# Altium PCB AMC_Box_Mainboard.PcbDoc (part 3 of 8)
Units mil, origin at the board's own origin, x right, y up, seen from the top; angles counter-clockwise.
Board outline 2795.28 x 7874.02 mil, 4 copper layers (TOP, GND, PWR, BTM), stack 63.701 mil thick; 505 components, 378 nets, 1991 pads, 997 vias.
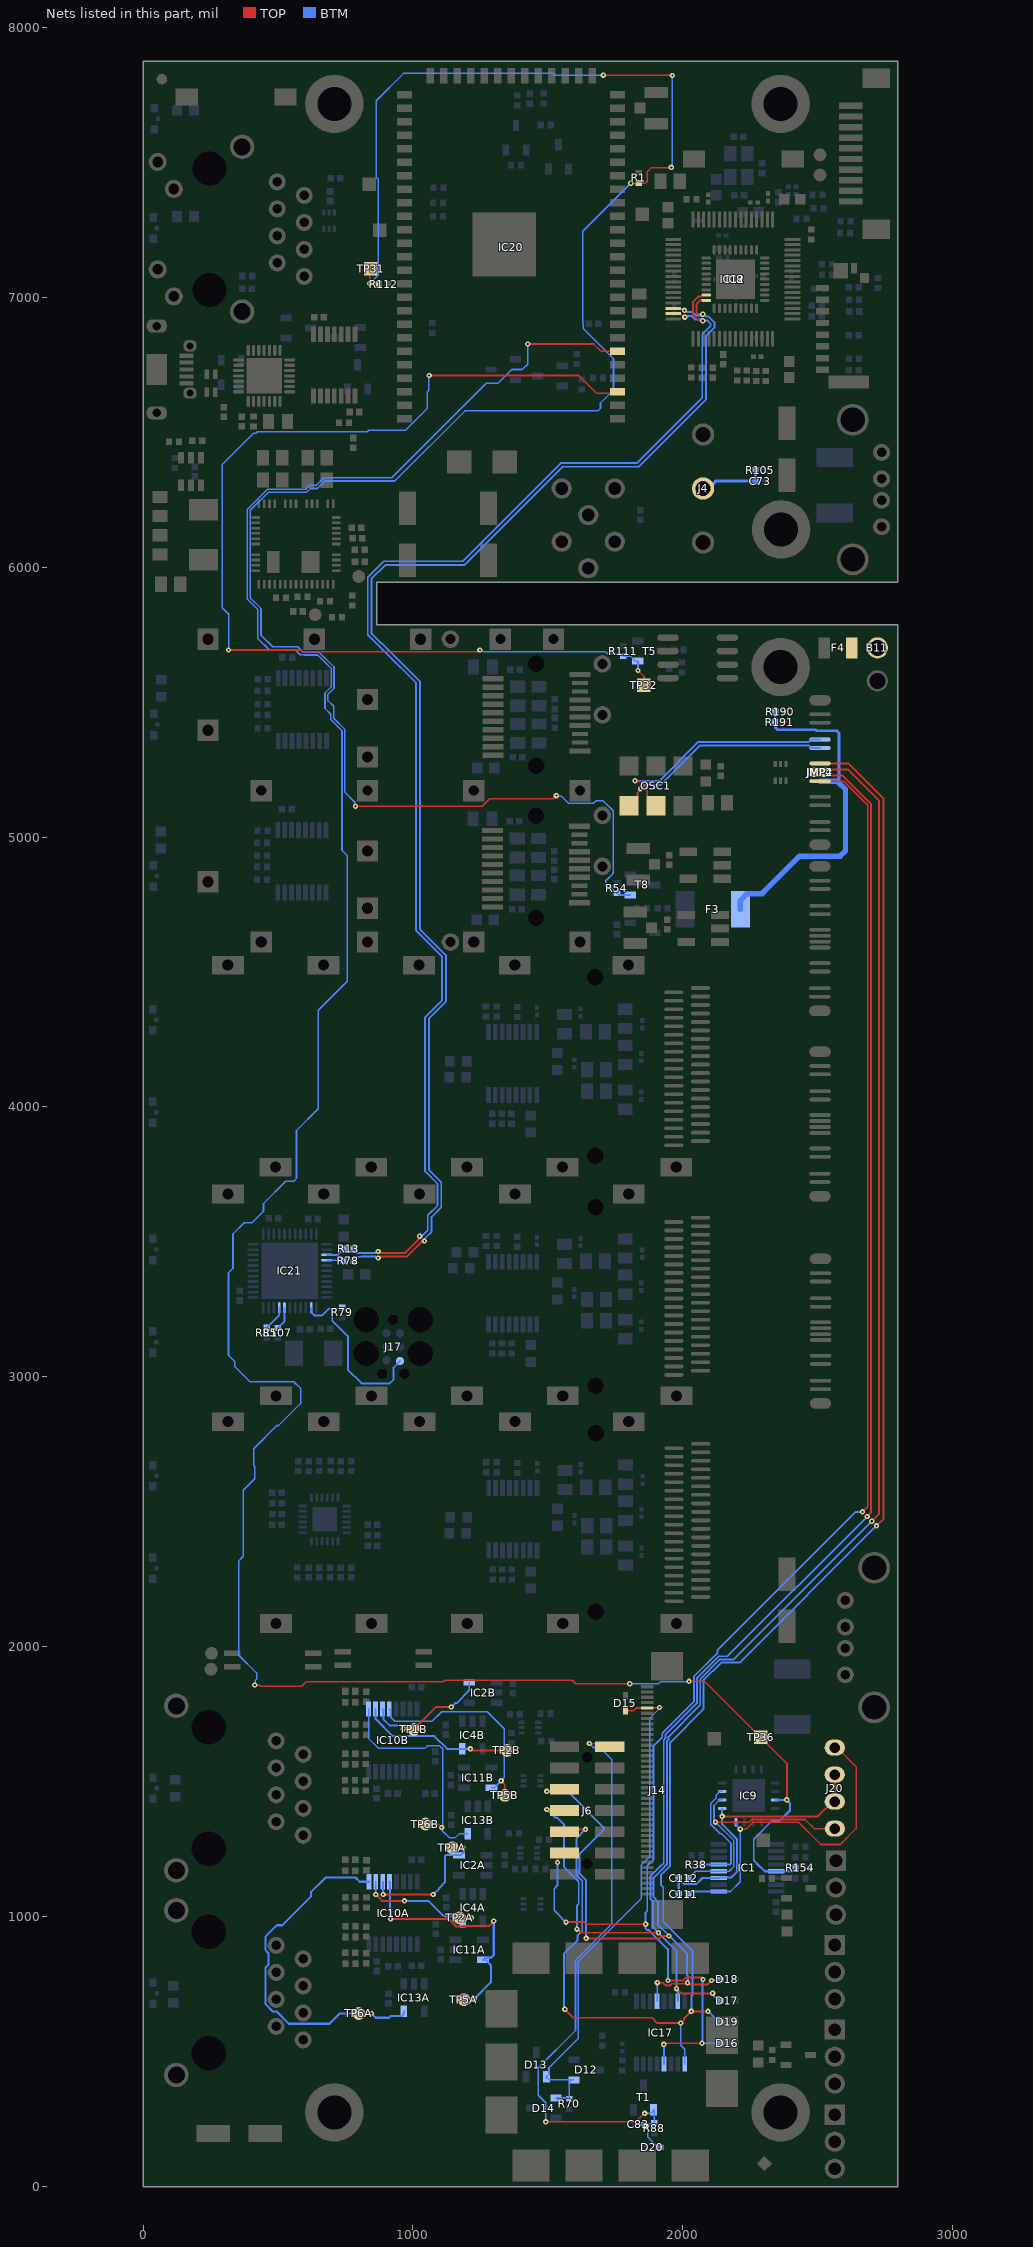
[diagram p5: the nets of this part, all layers, seen from the top]

## Via types
v1: diameter 19.68, hole 7.87, TOP to BTM, tented both sides, 751 vias
v2: diameter 20.08, hole 11.81, TOP to BTM, tented both sides, 162 vias
v3: diameter 19.68, hole 7.87, TOP to BTM, 43 vias
v4: diameter 31.5, hole 15.75, TOP to BTM, tented both sides, 36 vias
v5: diameter 25.98, hole 12.99, TOP to BTM, tented both sides, 4 vias
v6: diameter 50, hole 28, TOP to BTM, tented both sides, 1 vias

## Nets (pads, with @x,y where several pads share a name; then routed paths per layer and width w, separated by ;. In a path a pad name is that pad's centre, name@x,y a point inside that pad or via, vN(x,y) a via of type N, cw(c..) or ccw(c..) an arc to the next point about the centre after c; other vN are vias at no path point) (continued)
ADDR: IC1.13 IC9.11 R38.1 | length 434.9
  BTM w6: R38.1@2068.43,1193.13 2069.12,1193.81 IC1.13@2132.6,1193.81 2174.89,1193.81 2178.4,1197.33 2178.4,1272.33 2142.89,1307.84 2139.01,1307.84 2103.5,1343.36 2103.5,1420.02 2123.55,1440.07 2123.55,1451.3 2136.81,1464.57 IC9.11@2145.67,1464.57
AMC_MP: F3.2 JMP4.9 R190.2 R191.2 | length 1321.7
  BTM w10: R190.2@2342.52,5464.57 2342.52,5405.51 2350.39,5397.64 2492.13,5397.64 2496.06,5393.7 2570.87,5393.7 2578.74,5385.83 2578.74,5200.79
  BTM w20: F3.2@2213.19,4732.28 2213.19,4765.16 2238.23,4790.2 2293.74,4790.2 2432.68,4929.13 2582.68,4929.13 2602.36,4948.82 2602.36,5177.17 2578.74,5200.79 2572.83,5206.69 JMP4.9@2507.87,5206.69
AMC_PWR: B11.1 F4.2
AMC_TCK: D19.1 IC17.9 J6.6 JMP2.9 | length 6802.7
  TOP w7: J6.6@1562.01,1314.96 1571.05,1324 v1(1639,1324) ; v1(1562.99,657.48) 1594.49,625.98 1885.83,625.98 1905.51,606.3 v1(1992.13,606.3) 2003.94,618.11 2003.94,622.05 v1(2031.5,649.61) v1(2092.87,649.61) ; JMP2.9@2508.74,5272.83 2612.99,5272.83 2743.5,5142.33 2743.5,2474.59 v1(2717.13,2448.22)
  BTM w7: v1(1562.99,657.48) 1559.06,661.42 1559.06,862.2 1610.24,913.39 1610.24,931.14 1627.23,948.14 1627.23,1133.44 1606.04,1154.64 1606.04,1291.04 v1(1639,1324) ; v1(1992.13,606.3) 1992.13,523.5 2006.89,508.73 IC17.9@2006.89,454.72 ; v1(2031.5,649.61) 2031.5,707.05 2035.29,710.85 2035.29,874.16 1927.52,981.93 1927.52,1109.85 1918.94,1118.42 1918.94,1155.61 1926.54,1163.21 1926.65,1163.21 1952.58,1189.15 1952.58,1645.01 2076.28,1768.7 2076.28,1875.6 2142.36,1941.69 2210.6,1941.69 v1(2717.13,2448.22) ; v1(2092.87,649.61) 2093.5,649.61 2132.87,610.24 D19.1@2137.8,610.24
AMC_TDI: D18.1 IC17.4 J6.10 JMP2.8 | length 6507.7
  TOP w7: v1(1496.06,1464.57) 1554.13,1464.57 J6.10@1562.01,1472.44 ; v1(1641.62,920.08) 1914.13,920.08 1923.19,929.13 v1(1948.82,929.13) ; v1(1905.51,755.91) 1905.81,755.61 1925.85,755.61 1935.75,745.71 1952.94,745.71 1959.28,752.06 2004.86,752.06 2005.82,753.02 2014.79,753.02 v1(2017.22,755.45) ; v1@2017.22,757.52 2018.58,757.52 2026.45,749.65 2091.66,749.65 2105.79,763.78 v1(2106.3,763.78) ; JMP2.8@2508.74,5250.79 2611.42,5250.79 2726.8,5135.41 2726.8,2492.4 v1(2699.87,2465.48)
  BTM w7: v1(1496.06,1464.57) 1535.9,1464.57 1543.77,1472.44 1566.01,1472.44 1707.74,1330.71 1707.74,1323.29 1617.76,1233.31 1617.76,1159.5 1641.62,1135.64 v1(1641.62,920.08) ; IC17.4@1904.53,687.01 1905.02,687.5 1905.02,755.41 v1(1905.51,755.91) ; v1(2017.22,755.45) 2019.65,757.88 2019.65,773.92 2019.69,773.96 2019.69,779.53 2015.75,783.46 2015.75,862.2 v1(1948.82,929.13) 1907.22,970.74 1907.22,1056.58 1891.38,1072.42 1891.38,1144.63 1921.68,1174.93 1921.79,1174.93 1940.86,1194 1940.86,1649.86 1947.03,1656.03 1947.03,1667.5 2064.55,1785.02 2064.55,1880.45 2137.51,1953.41 2187.8,1953.41 v1(2699.87,2465.48) ; v1(2106.3,763.78) 2108.27,765.75 2135.83,765.75 D18.1@2137.8,767.72
AMC_TDO: D17.1 IC17.7 J6.8 JMP2.7 | length 6117.9
  TOP w7: v1(1496.06,1397.64) 1558.07,1397.64 J6.8@1562.01,1393.7 ; v1(1607.92,954.37) 1611.35,954.37 1622.46,943.26 1627.6,943.26 1629.92,940.95 v1(1909.45,940.95) ; v1(1976.38,733.99) 1994.44,715.92 2109.62,715.92 v1(2110.24,716.54) ; JMP2.7@2508.74,5228.74 2590.99,5228.74 2696.76,5122.97 2696.76,2497.36 2682.61,2483.21 v1(2682.61,2482.74)
  BTM w7: v1(1496.06,1397.64) 1525.44,1368.25 1533.31,1368.25 1560.27,1341.3 1560.27,1183.83 1614.17,1129.92 1614.17,1048.15 1607.92,1041.9 v1(1607.92,954.37) ; v1@1976.38,732.79 1976.38,874.02 v1(1909.45,940.95) 1889.76,960.63 1889.76,1056.82 1879.66,1066.93 1879.66,1149.49 1916.83,1186.66 1916.93,1186.66 1929.13,1198.86 1929.13,1654.72 1935.3,1660.89 1935.3,1674.63 2052.83,1792.15 2052.83,1885.31 2132.65,1965.13 2165.01,1965.13 v1(2682.61,2482.74) ; IC17.7@1981.3,687.01 v1@1981.3,727.87 ; v1(2110.24,716.54) 2110.24,711.61 2132.87,688.98 D17.1@2137.8,688.98
AMC_TMS: D16.1 IC17.12 J6.4 JMP2.6 | length 6220.8
  TOP w7: v1(1535.43,1200.79) 1535.43,1220.04 1551.62,1236.22 J6.4@1562.01,1236.22 ; v1(1566.93,980.32) 1633.86,980.32 1641.73,972.44 v1(1862.2,972.44) ; v1(1929.13,527.56) 1933.07,531.5 v1(2070.87,531.5) ; v1@1944.88,759.84 v1(1944.88,763.78) 2000,763.78 2011.81,775.59 2070.7,775.59 2070.7,775.25 2074.8,771.15 v1(2074.8,767.72) ; JMP2.6@2508.74,5206.69 2596.46,5206.69 2685.04,5118.11 2685.04,2519.69 v1(2665.35,2500)
  BTM w7: v1(1535.43,1200.79) 1535.43,1116.39 1523.62,1104.58 1523.62,1023.62 v1(1566.93,980.32) ; v1(1929.13,527.56) 1929.63,527.07 1929.63,455.22 IC17.12@1930.12,454.72 ; v1(1944.88,763.78) 1944.88,879.96 1874.02,950.83 1868.07,950.83 1862.2,956.69 v1(1862.2,972.44) 1862.2,1015.75 1867.93,1021.48 1867.93,1188.76 1891.38,1212.21 1891.38,1633.55 1923.58,1665.74 1923.58,1679.48 2041.1,1797.01 2041.1,1890.17 2127.79,1976.86 2127.79,1987.99 2639.8,2500 v1(2665.35,2500) ; v1(2074.8,767.72) 2072.83,765.75 2072.83,533.46 v1(2070.87,531.5) D16.1@2137.8,531.5
AMC_TRSTn: D12.1 D13.1 D14.1 D15.1 J14.36 R70.1 | length 1905.8
  TOP w6: D15.1@1787.4,1763.78 1817.4,1763.78 1827.24,1773.62 J14.36@1868.11,1773.62 1869.09,1774.61 1912.4,1774.61 v1(1913.39,1775.59)
  BTM w6: D14.1@1529.53,328.74 1575.59,328.74 R70.1@1578.74,325.59 1578.74,385.83 D12.1@1588.58,395.67 ; D12.1@1596.46,395.67 D12.1@1588.58,395.67 ; v1(1913.39,1775.59) 1913.39,1771.65 1877.95,1736.22 1877.95,1224.41 1846.46,1192.91 1846.46,1068.33 1613.09,834.96 1613.09,550.09 1503.89,440.9 1503.89,417.28 D13.1@1494.09,407.48 1494.09,405.46 1503.89,395.67 D12.1@1588.58,395.67
AVR_RESETn: IC21.13 J17.5 R79.1 | length 673.2
  BTM w7: IC21.13@622.74,3256.19 622.74,3240.44 635.89,3227.3 663.03,3227.3 688.24,3252.5 701,3252.5 ; R79.1@738,3257.5 733,3252.5 701,3252.5 ; J17.5@952,3058.85 928,3034.85 928,2990 914,2976 810,2976 759,3027 759,3151 701,3209 701,3252.5
AVR_SCL: IC21.18 R107.1 | length 85.6
  BTM w7: R107.1@499,3181.5 499.79,3181.5 524.31,3206.03 IC21.18@524.31,3256.19
AVR_SDA: IC21.19 R85.1 | length 94
  BTM w7: R85.1@458,3182.01 458.79,3182.01 504.63,3227.85 IC21.19@504.63,3256.19
CLK0_N: JMP4.4 OSC1.5 | length 884
  TOP w7: v1(1822.83,5208.66) 1825.26,5206.23 1842.23,5206.23 1868.07,5180.4 1868.07,5148.07 OSC1.5@1900,5116.14
  BTM w7: v1(1822.83,5208.66) 1824.37,5207.13 1911.74,5207.13 2057.48,5352.87 2467.9,5352.87 2476.45,5361.42 JMP4.4@2507.87,5361.42
CLK0_P: JMP4.5 OSC1.4 | length 815.4
  TOP w7: OSC1.4@1800,5116.14 1831.93,5148.07 1831.93,5164.64 1843.39,5176.1 v1(1843.39,5179.53)
  BTM w7: v1(1843.39,5179.53) 1844.96,5179.53 1858.56,5193.13 1917.54,5193.13 2063.28,5338.87 2467.9,5338.87 2476.45,5330.32 JMP4.5@2507.87,5330.32
D_N: IC8.8 IC12.15 R13.1 | length 5033
  TOP w7: v1(871,3464.7) 874.43,3464.7 879.64,3459.5 970.86,3459.5 1022.57,3511.21 1022.57,3518.57 v1(1025,3521) ; IC12.15@1964.04,6938.98 1966.04,6936.98 1993.12,6936.98 2004.13,6925.97 v1(2007.56,6925.97) ; v1(2073.82,6912.6) 2071.39,6915.03 2057.47,6915.03 2037.18,6935.31 2037.18,6981.12 2059.11,7003.05 2068.49,7003.05 2073.32,7007.87 IC8.8@2086.61,7007.87
  BTM w7: R13.1@780.5,3474 788.42,3466.08 788.42,3463.39 792.52,3459.29 802.42,3459.29 802.63,3459.5 862.36,3459.5 867.57,3464.7 v1(871,3464.7) ; v1(1025,3521) 1027.43,3523.43 1034.79,3523.43 1054.95,3543.59 1054.95,3598.26 1091.02,3634.33 1091.02,3715.46 1045.06,3761.42 1045.06,4332.46 1108.21,4395.61 1108.21,4557.03 1011.81,4653.43 1011.81,5570.75 899.55,5683.01 832.46,5750.11 832.46,5962.49 891.62,6021.65 1185,6021.65 1549.17,6385.83 1830.71,6385.83 2071.97,6627.09 2071.97,6863.31 2103.4,6894.74 2103.4,6900.54 2089.96,6913.97 2075.19,6913.97 v1(2073.82,6912.6) 2070.39,6912.6 2065.18,6917.8 2044.46,6917.8 2031.38,6930.88 2015.75,6930.88 2010.84,6925.97 v1(2007.56,6925.97)
D_NR: IC21.3 R13.2 | length 72.2
  BTM w7: IC21.3@680.81,3452.06 722.34,3452.06 743.5,3473.21 R13.2@743.5,3474
D_P: IC8.9 IC12.14 R78.1 | length 5029.1
  TOP w7: v1(871,3440.3) 874.43,3440.3 879.64,3445.5 976.66,3445.5 1032.47,3501.31 1039.83,3501.31 v1(1042.26,3503.74) ; IC12.14@1964.04,6958.66 1966.04,6956.66 1997.04,6956.66 2002.56,6951.14 v1(2005.99,6951.14) ; v1(2073.82,6937.01) 2072.01,6938.81 2053.48,6938.81 2051.18,6941.11 2051.18,6975.32 2064.91,6989.05 2070.71,6989.05 2070.79,6988.96 2085.84,6988.96 IC8.9@2086.61,6988.19
  BTM w7: R78.1@779.5,3431 787.42,3438.92 787.42,3441.19 791.52,3445.29 808.22,3445.29 808.43,3445.5 862.36,3445.5 867.57,3440.3 v1(871,3440.3) ; v1(1042.26,3503.74) 1044.69,3506.17 1044.69,3513.53 1068.95,3537.8 1068.95,3592.46 1105.02,3628.53 1105.02,3721.25 1100.92,3725.35 1059.06,3767.22 1059.06,4326.66 1122.21,4389.81 1122.21,4562.83 1025.81,4659.23 1025.81,5576.55 919.35,5683.01 846.46,5755.91 846.46,5956.69 897.42,6007.65 1190.8,6007.65 1554.97,6371.83 1836.51,6371.83 2085.97,6621.29 2085.97,6857.51 2117.4,6888.94 2117.4,6906.34 2113.3,6910.44 2095.76,6927.97 2086.29,6927.97 2077.25,6937.01 v1(2073.82,6937.01) 2070.39,6937.01 2065.18,6931.8 2050.26,6931.8 2037.18,6944.88 2015.69,6944.88 2009.42,6951.14 v1(2005.99,6951.14)
D_PR: IC21.4 R78.2 | length 62.3
  BTM w7: IC21.4@680.81,3432.37 741.13,3432.37 R78.2@742.5,3431
DR1A: IC10A.9 IC13A.5 TP6A.1 | length 1377.1
  TOP w7.87: TP6A.1@799.21,641.73 v1(846.46,641.73)
  BTM w7.87: IC10A.9@836.81,1129.92 803.15,1129.92 787.4,1145.67 677.17,1145.67 622.05,1090.55 622.05,1074.8 515.75,968.5 496.06,968.5 453.15,925.59 453.15,877.26 464.42,865.99 464.42,821.8 453.15,810.53 453.15,677.26 481.14,649.28 494.88,649.28 540.41,603.74 690.97,603.74 728.96,641.73 v1(846.46,641.73) 862.2,625.98 912,625.98 917.9,631.89 958.66,631.89 966.54,639.76 IC13A.5@966.54,649.61
DR1B: IC10B.9 IC13B.5 TP6B.1 | length 886.2
  TOP w6: TP6B.1@1046.26,1343.5 1093.5,1343.5 v1(1106.3,1330.71)
  BTM w6: IC10B.9@835.63,1769.69 835.63,1660.43 871.13,1624.93 1046.19,1624.93 1055.12,1633.86 1098.43,1633.86 1110.24,1622.05 1110.24,1326.77 1108.92,1325.45 1108.92,1319 1134.46,1293.46 1157.39,1293.46 1171.02,1307.09 IC13B.5@1202.76,1307.09
DR2A: IC10A.12 IC11A.5 TP5A.1 | length 941.6
  TOP w7.87: v1(917.32,992.13) 1131.51,992.13 1159.86,963.78 1186.6,963.78 1188.18,965.36 1280.32,965.36 v1(1299.21,984.25) ; TP5A.1@1188.98,692.91 1190.94,694.88 1226.38,694.88 v1(1228.35,696.85)
  BTM w7.87: IC10A.12@913.58,1129.92 915.45,1128.05 915.45,994 v1(917.32,992.13) ; v1(1228.35,696.85) 1288.69,757.2 1288.69,821.54 1269.69,840.55 IC11A.5@1259.84,840.55 1267.72,848.43 1289.37,848.43 1299.21,858.27 v1(1299.21,984.25)
DR2B: IC10B.12 IC11B.5 TP5B.1 | length 803.8
  TOP w6: v1(1326.77,1503.94) 1340.55,1490.16 TP5B.1@1340.55,1449.8
  BTM w6: IC10B.12@912.4,1769.69 918.26,1763.83 918.26,1739.22 933.07,1724.41 1070.87,1724.41 1106.3,1759.84 1275.59,1759.84 1338.58,1696.85 1338.58,1515.75 1301.18,1478.35 IC11B.5@1291.34,1478.35
DR3A: IC4A.5 IC10A.10 TP2A.1 | length 495.8
  TOP w7: v1(862.2,1082.68) 885.83,1059.06 v1(968.5,1059.06) ; TP2A.1@1173.23,996.06 v1(1216.54,996.06)
  BTM w7: v1(862.2,1082.68) 862.3,1082.78 862.3,1129.82 IC10A.10@862.4,1129.92 ; v1(968.5,1059.06) 1057.13,1059.06 1112.27,1003.92 1118.13,1003.92 1121.61,1000.44 1175.94,1000.44 1184.25,992.13 IC4A.5@1184.25,987.75 ; IC4A.5@1184.25,982.28 IC4A.5@1184.25,987.75 ; v1(1216.54,996.06) 1192.56,996.06 1186.44,989.94 IC4A.5@1184.25,987.75
DR3B: IC4B.5 IC10B.10 TP2B.1 | length 572.1
  TOP w7.87: v1(1212.6,1622.05) 1218.5,1616.14 TP2B.1@1348.43,1616.14
  BTM w7.87: IC10B.10@861.22,1769.69 861.22,1733.27 925.2,1669.29 1079.48,1669.29 1126.73,1622.05 IC4B.5@1183.07,1622.05 v1(1212.6,1622.05)
DR4A: IC2A.5 IC10A.11 TP1A.1 | length 523.2
  TOP w7: v1(889.76,1082.68) v1(1074.8,1082.68) ; TP1A.1@1145.67,1255.91 v1(1185.04,1255.91)
  BTM w7: IC10A.11@887.99,1129.92 889.76,1128.15 v1(889.76,1082.68) ; v1(1074.8,1082.68) 1098.53,1106.4 1098.53,1108.33 1118.11,1127.91 1118.11,1224.25 1122.21,1228.35 IC2A.5@1170.47,1228.35 1176.73,1228.35 1185.04,1236.66 v1(1185.04,1255.91)
DR4B: IC2B.5 IC10B.11 TP1B.1 | length 462.9
  TOP w7: v1(964.57,1696.85) 966.04,1695.37 1002.26,1695.37 TP1B.1@1003.74,1693.9 1087.25,1777.41 v1(1141.73,1777.41)
  BTM w7: IC10B.11@886.81,1769.69 891.41,1765.09 891.41,1730.64 913.39,1708.66 952.76,1708.66 v1(964.57,1696.85) ; v1(1141.73,1777.41) 1142.54,1777.41 1156.52,1791.39 1161.47,1791.39 1208.66,1838.58 IC2B.5@1208.66,1868.11
DXN: C111.1 C112.1 IC1.11 IC9.9 J20.2 J20.3 | length 1100.8
  TOP w7.87: v1(2145.67,1372.05) 2500.2,1372.05 2554.92,1426.77 J20.3@2562.8,1426.77 2562.7,1426.87 2562.7,1526.67 J20.2@2562.6,1526.77
  BTM w7.87: C111.1@1984.97,1082.89 C112.1@1984.97,1141.94 1999.53,1127.38 1999.53,1126.15 2004.61,1121.08 2050.21,1121.08 2072.95,1143.81 IC1.11@2132.6,1143.81 2134.46,1145.67 2179.67,1145.67 2200.94,1166.94 2200.94,1240.01 2200.79,1240.16 2200.79,1287.4 2145.67,1342.52 v1(2145.67,1372.05) IC9.9@2145.67,1401.57
DXP1: C111.2 IC1.9 IC9.8 J20.1 | length 1273.8
  TOP w6: v1(2212.6,1324.8) 2234.25,1324.8 2259.11,1349.66 2429.87,1349.66 2511.81,1267.72 2582.68,1267.72 2641.73,1326.77 2641.73,1555.71 2570.67,1626.77 J20.1@2562.8,1626.77
  BTM w6: C111.2@2020.4,1082.89 2031.32,1093.81 IC1.9@2132.6,1093.81 2176.49,1093.81 2212.6,1129.92 v1(2212.6,1324.8) 2196.85,1340.55 IC9.8@2196.85,1350.39
DXP2: C112.2 IC1.12 IC9.10 J20.4 | length 942.9
  TOP w6: v1(2121.06,1350.63) 2244.92,1350.63 2254.67,1360.39 2452.61,1360.39 2486.22,1326.77 J20.4@2562.99,1326.77
  BTM w6: C112.2@2020.4,1141.94 2047.27,1168.81 2172.01,1168.81 2189.13,1185.93 2189.13,1282.57 v1(2121.06,1350.63) 2115.26,1356.44 2115.26,1412.5 2135.83,1433.07 IC9.10@2145.67,1433.07
EMI_SHIELD: C73.2 J4.2 R105.2 | length 246
  BTM w11.81: J4.2@2074.8,6291.34 2093.98,6291.34 2121.54,6318.9 C73.2@2269.69,6318.9 2269.29,6319.29 2269.29,6357.87 R105.2@2268.9,6358.27
EN_AMC_MP: R1.2 R54.2 R112.1 T8.1 TP31.1 | length 7648.9
  TOP w6: v1(787.4,5114.17) 1257.18,5114.17 1284.74,5141.73 1519.69,5141.73 v1(1531.5,5153.54) ; TP31.1@844,7106 840.06,7102.06 v1(840.06,7050.88) 869.61,7050.88 R112.1@872.5,7048 ; v1(1705.42,7822.58) 1959.42,7822.58 v1(1961,7821) ; v1(1807,7422) 1834.5,7422 R1.2@1836,7423.5 1837.5,7422 1860,7422 1868,7430 1868,7465 1882,7479 1955,7479 v1(1957,7481)
  BTM w6: v1(787.4,5114.17) 784.78,5116.79 784.78,5129.29 748.03,5166.04 748.03,5398.36 706.49,5439.91 706.49,5484.68 685.04,5506.13 685.04,5529.03 707.43,5551.41 707.43,5629.92 652.31,5685.04 606.3,5685.04 605.36,5685.98 592.27,5685.98 573.52,5704.72 480.32,5704.72 437.01,5748.03 437.01,5846.46 397.64,5885.83 397.64,6210.41 465.32,6278.09 607.05,6278.09 620.3,6291.34 645.67,6291.34 673.23,6318.9 933.07,6318.9 1192.91,6578.74 1685.04,6578.74 1694.88,6588.58 1694.88,6607.88 1743,6656 1743,6771.99 1631.65,6883.34 1631.65,6904 1629.65,6906 1629.65,7244.65 v1(1807,7422) ; v1(840.06,7050.88) 871.17,7081.98 871.17,7436.74 864.32,7443.58 864.32,7728.32 965,7829 1520.17,7829 1526.59,7822.58 v1(1705.42,7822.58) ; v1(1531.5,5153.54) 1533.9,5151.14 1550.34,5151.14 1576.52,5124.95 1668.26,5124.95 1677.17,5133.86 1705.28,5133.86 1741.98,5097.16 1741.98,4867.96 1740.16,4866.14 1740.16,4863.43 1714.72,4837.99 1714.72,4823.43 1725.96,4812.18 1735.45,4812.18 1755.12,4792.52 R54.2@1755.91,4792.52 1762.99,4785.43 T8.1@1805.12,4785.43 ; v1(1957,7481) 1961,7485 v1(1961,7821)
EN_AMC_PWR: IC20.37 R111.2 T5.1 TP32.1 | length 4034.2
  TOP w6: v1(316.53,5692.91) 585.34,5692.91 592.27,5685.98 1241.09,5685.98 v1(1248.03,5692.91) ; v1(1060,6710) 1614,6710 1680.28,6643.72 1751.83,6643.72 IC20.37@1758.5,6650.39 ; v1(1834,5617) 1856,5595 TP32.1@1856,5563
  BTM w6: v1(316.53,5692.91) 317.13,5693.52 317.13,5825.4 293.51,5849.03 293.51,6380.13 409.45,6496.06 418.35,6496.06 423.44,6501.15 502.31,6501.15 502.93,6501.76 831.12,6501.76 836.19,6506.83 972.68,6506.83 1053.35,6587.51 1053.35,6648.78 1059.06,6654.48 1059.06,6709.06 v1(1060,6710) ; v1(1248.03,5692.91) 1251.73,5692.91 1258.67,5685.98 1714.19,5685.98 1721.28,5678.89 1771.11,5678.89 R111.2@1779.53,5670.47 1805.91,5670.47 1824.8,5651.57 T5.1@1832.68,5651.57 1834,5650.25 v1(1834,5617)
EN_USB_JTAG: C83.2 D20.1 J6.13 R88.1 T1.1 | length 2240.4
  TOP w6: v1(1492.13,240.16) 1826.77,240.16 v1(1858.27,271.65) ; v1(1653.54,1641.73) 1678.2,1641.73 1688.98,1630.95 J6.13@1688.98,1629.92
  BTM w6: v1(1492.13,240.16) 1492.13,311.02 1464.57,338.58 1464.57,440.94 1602.36,578.74 1602.36,839.4 1736.22,973.26 1736.22,1582.68 1691.6,1627.3 1667.97,1627.3 v1(1653.54,1641.73) ; C83.2@1848.43,232.28 1869.69,232.28 ; v1(1858.27,271.65) 1881.94,271.65 1891.73,281.45 T1.1@1891.73,285.43 1893.7,283.46 R88.1@1893.7,235.04 1890.95,232.28 1869.69,232.28 ; D20.1@1913.39,145.67 1908.46,145.67 1869.69,184.45 1869.69,232.28
FANN: IC1.5 IC9.3 IC20.39 R154.2 TP36.1 | length 9629.1
  TOP w6: v1(413.86,1858.87) 415.4,1857.33 432.7,1857.33 435.7,1854.33 587.78,1854.33 603.77,1870.32 1112.75,1870.32 1118.26,1875.83 1590.7,1875.83 1603.05,1863.48 v1(1803.15,1863.48) ; v1(1425.2,6826.77) 1669.29,6826.77 1695.67,6800.39 IC20.39@1758.5,6800.39 ; v1(2023.04,1872.1) v1(2023.04,1872.1) 2080.95,1872.05 2385.83,1567.17 2385.83,1559.06
  TOP w7.87: v1(2384.83,1433.07) 2385.83,1434.06 2385.83,1559.06
  BTM w6: v1(413.86,1858.87) 416.48,1861.49 416.48,1876.49 420.7,1880.71 420.7,1903.29 354.55,1969.45 354.55,2318.4 371.92,2335.77 371.92,2580.51 414.47,2623.06 414.47,2668.47 410.28,2672.67 410.28,2734.34 495.95,2820.01 502.28,2820.01 583.76,2901.5 583.76,2957.64 558.94,2982.47 396.07,2982.47 339.67,3038.86 339.67,3057 316.62,3080.04 316.62,3385.96 333.47,3402.81 333.47,3529.47 375.08,3571.08 403.98,3571.08 446.2,3613.3 446.2,3642.2 528.62,3724.62 558.05,3724.62 568.86,3735.43 568.86,3913.25 649.61,3994 649.61,4358.27 756.75,4465.41 756.75,4931.83 737.31,4951.27 737.31,5393.92 695.76,5435.46 695.76,5455.16 674.32,5476.6 674.32,5533.47 696.7,5555.86 696.7,5625.48 647.87,5674.32 598.08,5674.32 597.15,5675.25 582.58,5675.25 563.83,5694 467.42,5694 425.42,5736 425.42,5842.88 386.91,5881.38 386.91,6214.85 460.88,6288.81 602.61,6288.81 617.29,6303.49 642.65,6303.49 669.87,6330.71 921.26,6330.71 1271.65,6681.1 1314.96,6681.1 1366.14,6732.28 1405.51,6732.28 1425.2,6751.97 v1(1425.2,6826.77) ; v1(1803.15,1863.48) 1909.67,1863.48 1917.36,1871.17 2022.1,1871.17 v1(2023.04,1872.1) ; 2274.02,1197.68 2262.57,1209.13 2262.57,1287.38 2329.77,1354.59
  BTM w7.87: 2274.02,1197.68 2302.88,1168.81 IC1.5@2345.2,1168.81 2405.54,1168.81 2417.25,1180.53 R154.2@2417.25,1181.31 ; 2329.77,1354.59 2357.62,1354.59 2396.94,1393.91 2396.94,1420.96 v1(2384.83,1433.07) IC9.3@2342.52,1433.07